# Altium PCB JTAG-批量下载V06.PcbDoc (part 2 of 13)
Units mil, origin at the board's own origin, x right, y up, seen from the top; angles counter-clockwise.
Board outline 6380 x 5290 mil, 2 copper layers (Top Layer, Bottom Layer); 190 components, 238 nets, 1050 pads, 459 vias.
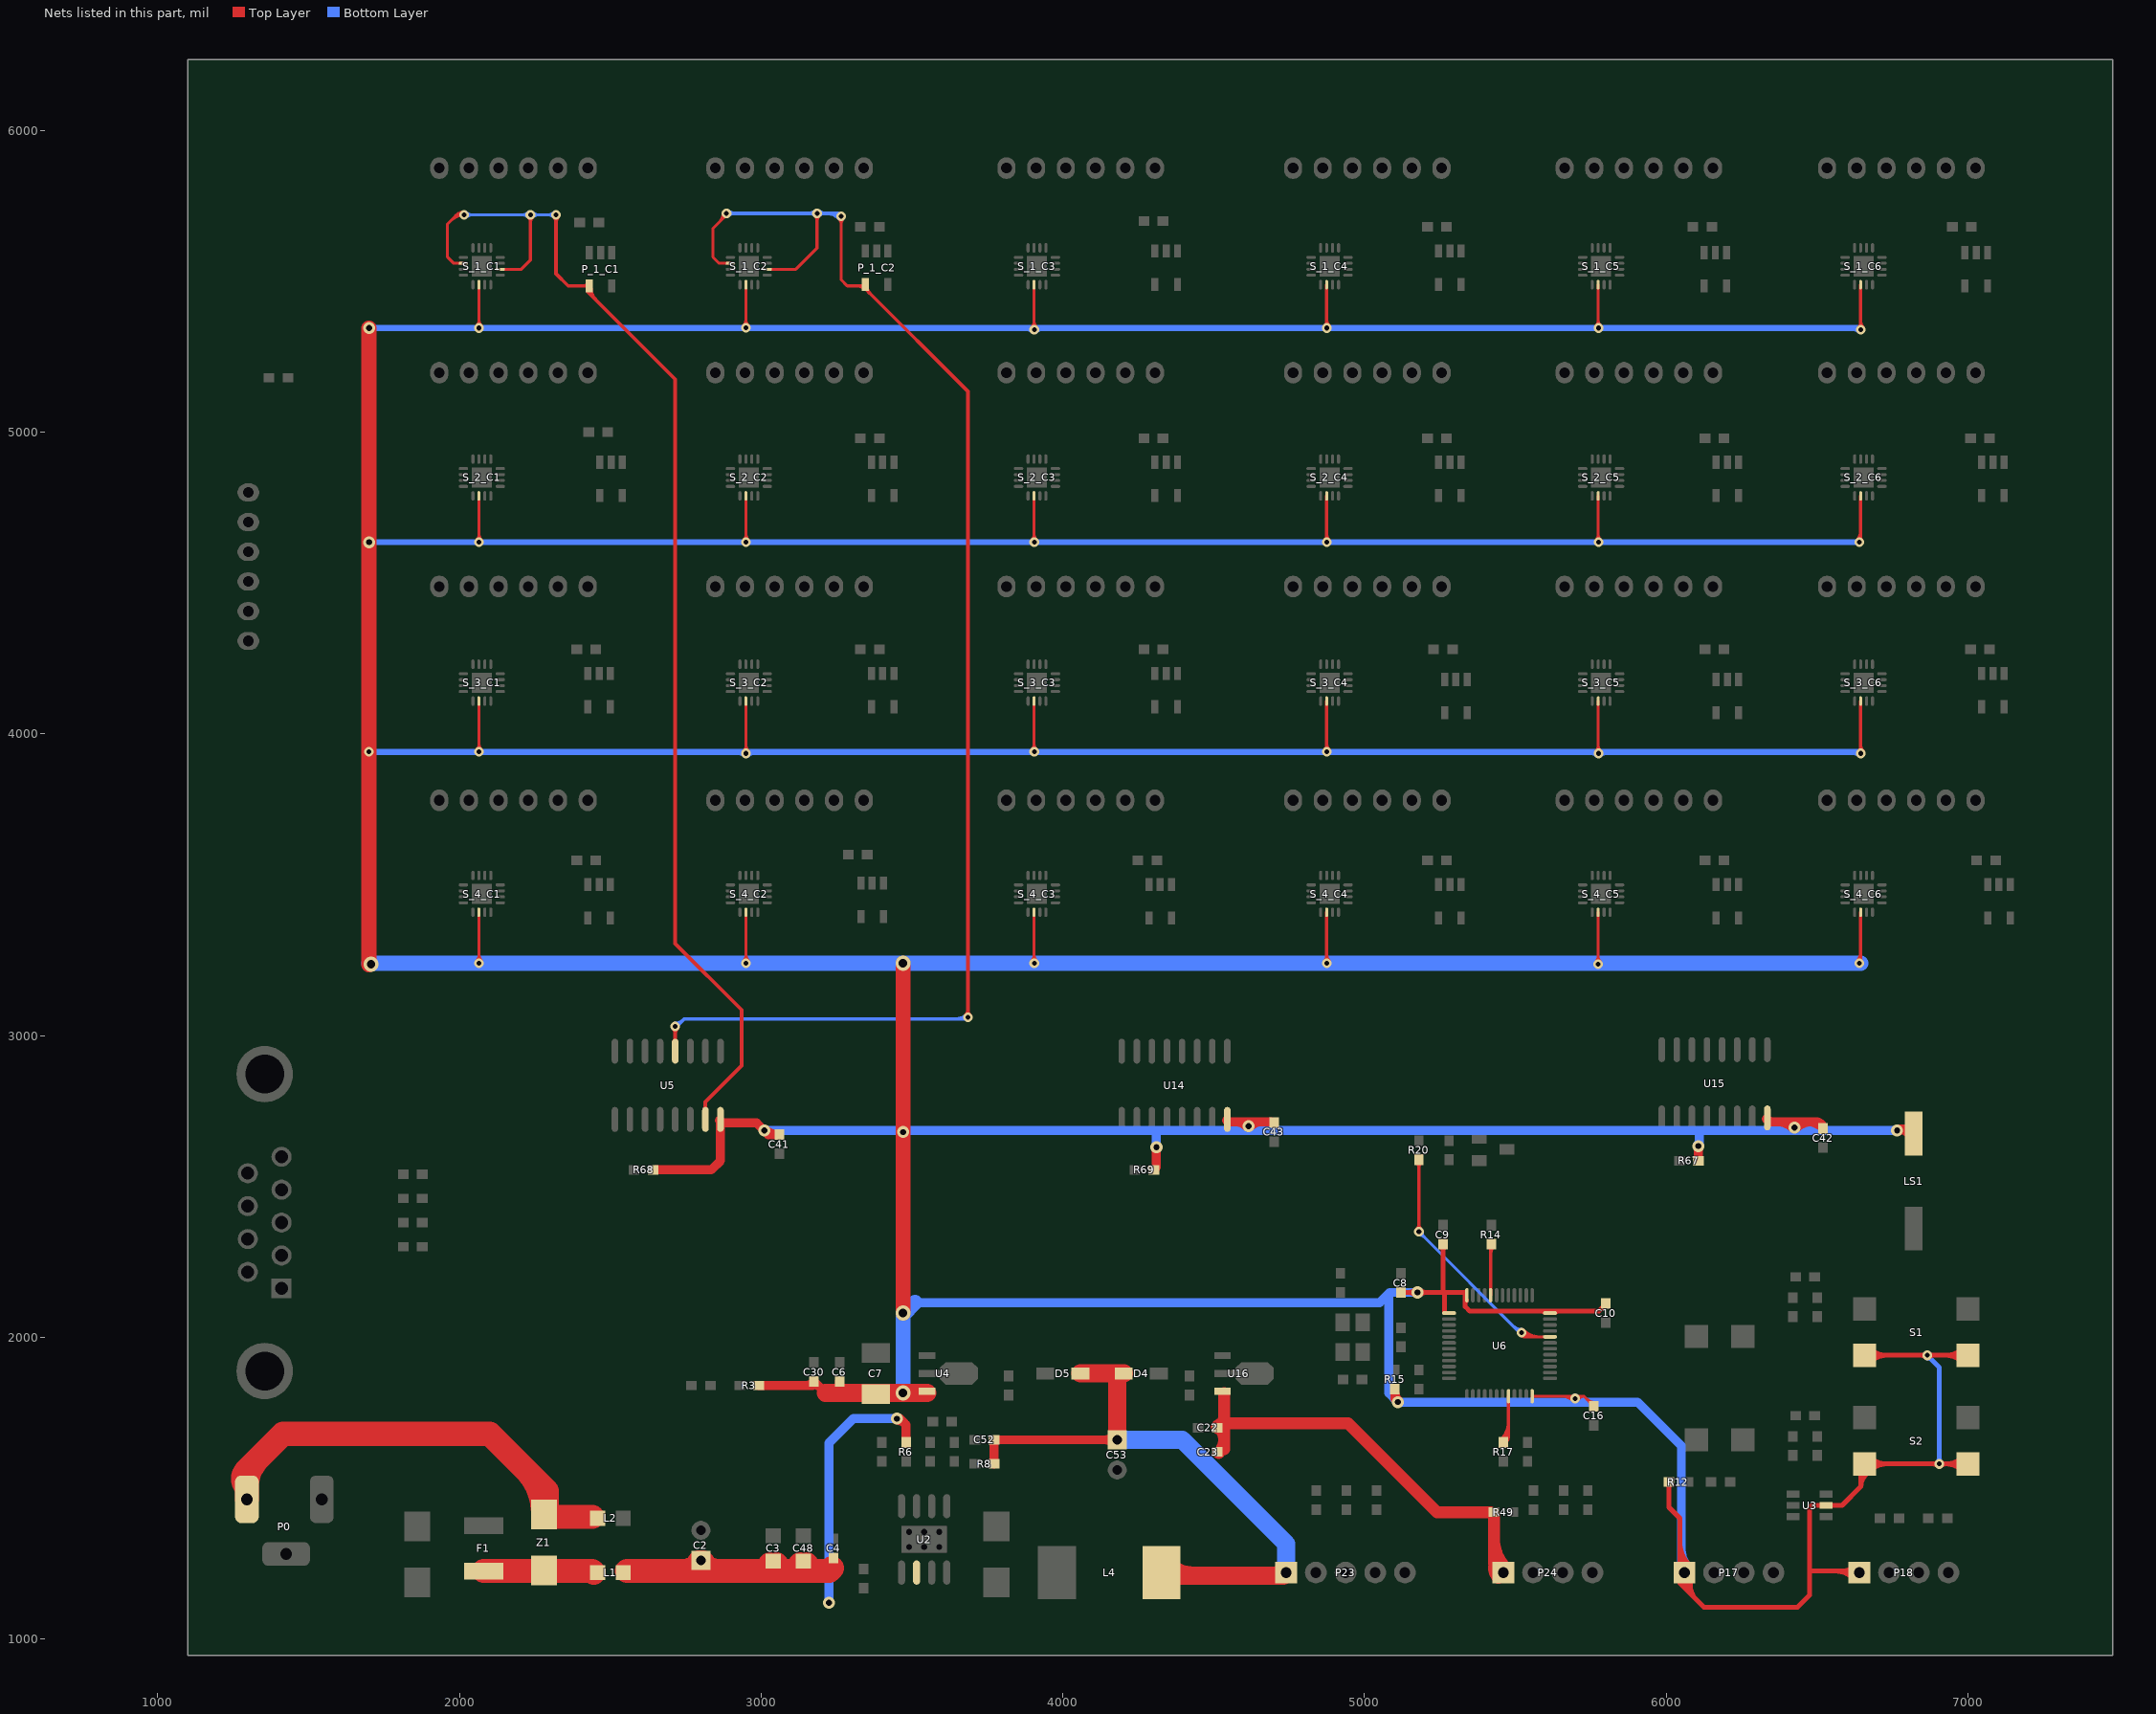
[diagram p2: the nets of this part, all layers, seen from the top]

## Via types
v1: diameter 32, hole 16, Top Layer to Bottom Layer, 347 vias
v2: diameter 50, hole 28, Top Layer to Bottom Layer, 63 vias
v3: diameter 40, hole 20, Top Layer to Bottom Layer, 49 vias

## Nets (pads, with @x,y where several pads share a name; then routed paths per layer and width w, separated by ;. In a path a pad name is that pad's centre, name@x,y a point inside that pad or via, vN(x,y) a via of type N, cw(c..) or ccw(c..) an arc to the next point about the centre after c; other vN are vias at no path point)
3.3V: C6.1 C7.1 C8.1 C9.1 C10.1 C16.1 C30.1 C41.1 C42.1 C43.1 LS1.1 P17.1 P18.1 R3.1 R12.2 R15.2 R67.1 R68.1 R69.1 S1.1 S1.2 S2.1 S2.2 S_1_C1.14 S_1_C2.14 S_1_C3.14 S_1_C4.14 S_1_C5.14 S_1_C6.14 S_2_C1.14 S_2_C2.14 S_2_C3.14 S_2_C4.14 S_2_C5.14 S_2_C6.14 S_3_C1.14 S_3_C2.14 S_3_C3.14 S_3_C4.14 S_3_C5.14 S_3_C6.14 S_4_C1.14 S_4_C2.14 S_4_C3.14 S_4_C4.14 S_4_C5.14 S_4_C6.14 U3.5 U4.3 U5.16 U6.1 U6.24 U6.36 U6.48 U14.16 U15.16 | length 51435
  Top Layer w10: v1@2064.13,3240.87 S_4_C1.14@2064.13,3408.5 ; v1@2064.13,3940.87 S_3_C1.14@2064.13,4108.5 ; v1@2064.13,4635.87 S_2_C1.14@2064.13,4788.5 ; v1@2064.13,5345 S_1_C1.14@2064.13,5488.5 ; v1@2949.13,3240.87 S_4_C2.14@2949.13,3408.5 ; v1@2949.13,3935.87 S_3_C2.14@2949.13,4108.5 ; v1@2949.13,4635.87 S_2_C2.14@2949.13,4788.5 ; v1(2949.13,5345.87) S_1_C2.14@2949.13,5488.5 ; v1@3904.13,3240.87 S_4_C3.14@3904.13,3408.5 ; v1@3904.13,3940.87 S_3_C3.14@3904.13,4108.5 ; v1@3904.13,4635.87 S_2_C3.14@3904.13,4788.5 ; v1@3904.13,5340.87 S_1_C3.14@3904.13,5488.5 ; v1@4874.13,3240.87 S_4_C4.14@4874.13,3408.5 ; v1@4874.13,3935.87 S_3_C4.14@4874.13,4108.5 ; v1@4874.13,4639.13 S_2_C4.14@4874.13,4788.5 ; v1@4874.13,5345.87 S_1_C4.14@4874.13,5488.5 ; U6.24@5555.59,1804.41 5727.09,1804.41 ; 5653.66,1804.41 cw(c5653.66,1752.8) v1@5690.15,1789.29 ; 5677.8,1804.41 cw(c5677.8,1776.94) v1@5697.22,1796.36 ; v1@5707.84,1792.31 cw(c5727.09,1783.06) 5727.09,1804.41 ; C16.1@5760,1771.5 5727.09,1804.41 ; v1(5774.13,3235.87) S_4_C5.14@5774.13,3408.5 ; v1@5774.13,3935.87 S_3_C5.14@5774.13,4108.5 ; v1@5774.13,4635.87 S_2_C5.14@5774.13,4788.5 ; v1@5774.13,5345.87 S_1_C5.14@5774.13,5488.5 ; v1@6644.13,3244.13 S_4_C6.14@6644.13,3408.5 ; v1@6644.13,3935.87 S_3_C6.14@6644.13,4108.5 ; v1@6644.13,4639.13 S_2_C6.14@6644.13,4788.5 ; v1@6644.13,5340.87 S_1_C6.14@6644.13,5488.5 ; v1@2057.22,3247.78 ccw(c2040.53,3264.47) 2064.13,3264.47 ; v1@2057.22,3247.78 ccw(c2040.53,3264.47) 2064.13,3264.47 ; v1@2057.22,3247.78 ccw(c2040.53,3264.47) 2064.13,3264.47 ; v1@2057.22,3947.78 ccw(c2040.53,3964.47) 2064.13,3964.47 ; v1@2057.22,3947.78 ccw(c2040.53,3964.47) 2064.13,3964.47 ; v1@2057.22,3947.78 ccw(c2040.53,3964.47) 2064.13,3964.47 ; v1@2057.22,4642.78 ccw(c2040.53,4659.47) 2064.13,4659.47 ; v1@2057.22,4642.78 ccw(c2040.53,4659.47) 2064.13,4659.47 ; v1@2057.22,4642.78 ccw(c2040.53,4659.47) 2064.13,4659.47 ; v1@2057.22,5352.78 ccw(c2040.53,5369.47) 2064.13,5369.47 ; v1@2057.22,5352.78 ccw(c2040.53,5369.47) 2064.13,5369.47 ; v1@2057.22,5352.78 ccw(c2040.53,5369.47) 2064.13,5369.47 ; 2064.13,3268.65 ccw(c2093.65,3268.65) v1@2072.78,3247.78 ; 2064.13,3268.65 ccw(c2093.65,3268.65) v1@2072.78,3247.78 ; 2064.13,3268.65 ccw(c2093.65,3268.65) v1@2072.78,3247.78 ; 2064.13,3968.65 ccw(c2093.65,3968.65) v1@2072.78,3947.78 ; 2064.13,3968.65 ccw(c2093.65,3968.65) v1@2072.78,3947.78 ; 2064.13,3968.65 ccw(c2093.65,3968.65) v1@2072.78,3947.78 ; 2064.13,4663.65 ccw(c2093.65,4663.65) v1@2072.78,4642.78 ; 2064.13,4663.65 ccw(c2093.65,4663.65) v1@2072.78,4642.78 ; 2064.13,4663.65 ccw(c2093.65,4663.65) v1@2072.78,4642.78 ; 2064.13,5373.65 ccw(c2093.65,5373.65) v1@2072.78,5352.78 ; 2064.13,5373.65 ccw(c2093.65,5373.65) v1@2072.78,5352.78 ; 2064.13,5373.65 ccw(c2093.65,5373.65) v1@2072.78,5352.78 ; v1@2941.36,5353.64 ccw(c2922.58,5372.42) 2949.13,5372.42 ; v1@2941.36,5353.64 ccw(c2922.58,5372.42) 2949.13,5372.42 ; v1@2941.36,5353.64 ccw(c2922.58,5372.42) 2949.13,5372.42 ; v1@2942.22,3247.78 ccw(c2925.53,3264.47) 2949.13,3264.47 ; v1@2942.22,3247.78 ccw(c2925.53,3264.47) 2949.13,3264.47 ; v1@2942.22,3247.78 ccw(c2925.53,3264.47) 2949.13,3264.47 ; v1@2942.22,3942.78 ccw(c2925.53,3959.47) 2949.13,3959.47 ; v1@2942.22,3942.78 ccw(c2925.53,3959.47) 2949.13,3959.47 ; v1@2942.22,3942.78 ccw(c2925.53,3959.47) 2949.13,3959.47 ; v1@2942.22,4642.78 ccw(c2925.53,4659.47) 2949.13,4659.47 ; v1@2942.22,4642.78 ccw(c2925.53,4659.47) 2949.13,4659.47 ; v1@2942.22,4642.78 ccw(c2925.53,4659.47) 2949.13,4659.47 ; 2949.13,3268.65 ccw(c2978.65,3268.65) v1@2957.78,3247.78 ; 2949.13,3268.65 ccw(c2978.65,3268.65) v1@2957.78,3247.78 ; 2949.13,3268.65 ccw(c2978.65,3268.65) v1@2957.78,3247.78 ; 2949.13,3963.65 ccw(c2978.65,3963.65) v1@2957.78,3942.78 ; 2949.13,3963.65 ccw(c2978.65,3963.65) v1@2957.78,3942.78 ; 2949.13,3963.65 ccw(c2978.65,3963.65) v1@2957.78,3942.78 ; 2949.13,4663.65 ccw(c2978.65,4663.65) v1@2957.78,4642.78 ; 2949.13,4663.65 ccw(c2978.65,4663.65) v1@2957.78,4642.78 ; 2949.13,4663.65 ccw(c2978.65,4663.65) v1@2957.78,4642.78 ; 2949.13,5372.42 ccw(c2975.69,5372.42) v1@2956.91,5353.64 ; 2949.13,5372.42 ccw(c2975.69,5372.42) v1@2956.91,5353.64 ; 2949.13,5372.42 ccw(c2975.69,5372.42) v1@2956.91,5353.64 ; v1@3897.22,3247.78 ccw(c3880.53,3264.47) 3904.13,3264.47 ; v1@3897.22,3247.78 ccw(c3880.53,3264.47) 3904.13,3264.47 ; v1@3897.22,3247.78 ccw(c3880.53,3264.47) 3904.13,3264.47 ; v1@3897.22,3947.78 ccw(c3880.53,3964.47) 3904.13,3964.47 ; v1@3897.22,3947.78 ccw(c3880.53,3964.47) 3904.13,3964.47 ; v1@3897.22,3947.78 ccw(c3880.53,3964.47) 3904.13,3964.47 ; v1@3897.22,4642.78 ccw(c3880.53,4659.47) 3904.13,4659.47 ; v1@3897.22,4642.78 ccw(c3880.53,4659.47) 3904.13,4659.47 ; v1@3897.22,4642.78 ccw(c3880.53,4659.47) 3904.13,4659.47 ; v1@3897.22,5347.78 ccw(c3880.53,5364.47) 3904.13,5364.47 ; v1@3897.22,5347.78 ccw(c3880.53,5364.47) 3904.13,5364.47 ; v1@3897.22,5347.78 ccw(c3880.53,5364.47) 3904.13,5364.47 ; 3904.13,3268.65 ccw(c3933.65,3268.65) v1@3912.78,3247.78 ; 3904.13,3268.65 ccw(c3933.65,3268.65) v1@3912.78,3247.78 ; 3904.13,3268.65 ccw(c3933.65,3268.65) v1@3912.78,3247.78 ; 3904.13,3968.65 ccw(c3933.65,3968.65) v1@3912.78,3947.78 ; 3904.13,3968.65 ccw(c3933.65,3968.65) v1@3912.78,3947.78 ; 3904.13,3968.65 ccw(c3933.65,3968.65) v1@3912.78,3947.78 ; 3904.13,4663.65 ccw(c3933.65,4663.65) v1@3912.78,4642.78 ; 3904.13,4663.65 ccw(c3933.65,4663.65) v1@3912.78,4642.78 ; 3904.13,4663.65 ccw(c3933.65,4663.65) v1@3912.78,4642.78 ; 3904.13,5368.65 ccw(c3933.65,5368.65) v1@3912.78,5347.78 ; 3904.13,5368.65 ccw(c3933.65,5368.65) v1@3912.78,5347.78 ; 3904.13,5368.65 ccw(c3933.65,5368.65) v1@3912.78,5347.78 ; v1@4867.22,3247.78 ccw(c4850.53,3264.47) 4874.13,3264.47 ; v1@4867.22,3247.78 ccw(c4850.53,3264.47) 4874.13,3264.47 ; v1@4867.22,3247.78 ccw(c4850.53,3264.47) 4874.13,3264.47 ; v1@4867.22,3947.78 ccw(c4850.53,3964.47) 4874.13,3964.47 ; v1@4867.22,3947.78 ccw(c4850.53,3964.47) 4874.13,3964.47 ; v1@4867.22,3947.78 ccw(c4850.53,3964.47) 4874.13,3964.47 ; v1@4867.22,4642.78 ccw(c4850.53,4659.47) 4874.13,4659.47 ; v1@4867.22,4642.78 ccw(c4850.53,4659.47) 4874.13,4659.47 ; v1@4867.22,4642.78 ccw(c4850.53,4659.47) 4874.13,4659.47 ; v1@4867.22,5352.78 ccw(c4850.53,5369.47) 4874.13,5369.47 ; v1@4867.22,5352.78 ccw(c4850.53,5369.47) 4874.13,5369.47 ; v1@4867.22,5352.78 ccw(c4850.53,5369.47) 4874.13,5369.47 ; 4874.13,3268.65 ccw(c4903.65,3268.65) v1@4882.78,3247.78 ; 4874.13,3268.65 ccw(c4903.65,3268.65) v1@4882.78,3247.78 ; 4874.13,3268.65 ccw(c4903.65,3268.65) v1@4882.78,3247.78 ; 4874.13,3968.65 ccw(c4903.65,3968.65) v1@4882.78,3947.78 ; 4874.13,3968.65 ccw(c4903.65,3968.65) v1@4882.78,3947.78 ; 4874.13,3968.65 ccw(c4903.65,3968.65) v1@4882.78,3947.78 ; 4874.13,4663.65 ccw(c4903.65,4663.65) v1@4882.78,4642.78 ; 4874.13,4663.65 ccw(c4903.65,4663.65) v1@4882.78,4642.78 ; 4874.13,4663.65 ccw(c4903.65,4663.65) v1@4882.78,4642.78 ; 4874.13,5373.65 ccw(c4903.65,5373.65) v1@4882.78,5352.78 ; 4874.13,5373.65 ccw(c4903.65,5373.65) v1@4882.78,5352.78 ; 4874.13,5373.65 ccw(c4903.65,5373.65) v1@4882.78,5352.78 ; 5738.29,1793.2 ccw(c5760,1814.91) C16.1@5760,1784.21 ; 5738.29,1793.2 ccw(c5760,1814.91) C16.1@5760,1784.21 ; 5738.29,1793.2 ccw(c5760,1814.91) C16.1@5760,1784.21 ; 5743.04,1788.45 cw(c5728.06,1773.46) C16.1@5749.25,1773.46 ; 5743.04,1788.45 cw(c5728.06,1773.46) C16.1@5749.25,1773.46 ; 5743.04,1788.45 cw(c5728.06,1773.46) C16.1@5749.25,1773.46 ; v1@5766.36,3243.64 ccw(c5747.58,3262.42) 5774.13,3262.42 ; v1@5766.36,3243.64 ccw(c5747.58,3262.42) 5774.13,3262.42 ; v1@5766.36,3243.64 ccw(c5747.58,3262.42) 5774.13,3262.42 ; v1@5767.22,3942.78 ccw(c5750.53,3959.47) 5774.13,3959.47 ; v1@5767.22,3942.78 ccw(c5750.53,3959.47) 5774.13,3959.47 ; v1@5767.22,3942.78 ccw(c5750.53,3959.47) 5774.13,3959.47 ; v1@5767.22,4642.78 ccw(c5750.53,4659.47) 5774.13,4659.47 ; v1@5767.22,4642.78 ccw(c5750.53,4659.47) 5774.13,4659.47 ; v1@5767.22,4642.78 ccw(c5750.53,4659.47) 5774.13,4659.47 ; v1@5767.22,5352.78 ccw(c5750.53,5369.47) 5774.13,5369.47 ; v1@5767.22,5352.78 ccw(c5750.53,5369.47) 5774.13,5369.47 ; v1@5767.22,5352.78 ccw(c5750.53,5369.47) 5774.13,5369.47 ; 5774.13,3262.42 ccw(c5800.69,3262.42) v1@5781.91,3243.64 ; 5774.13,3262.42 ccw(c5800.69,3262.42) v1@5781.91,3243.64 ; 5774.13,3262.42 ccw(c5800.69,3262.42) v1@5781.91,3243.64 ; 5774.13,3963.65 ccw(c5803.65,3963.65) v1@5782.78,3942.78 ; 5774.13,3963.65 ccw(c5803.65,3963.65) v1@5782.78,3942.78 ; 5774.13,3963.65 ccw(c5803.65,3963.65) v1@5782.78,3942.78 ; 5774.13,4663.65 ccw(c5803.65,4663.65) v1@5782.78,4642.78 ; 5774.13,4663.65 ccw(c5803.65,4663.65) v1@5782.78,4642.78 ; 5774.13,4663.65 ccw(c5803.65,4663.65) v1@5782.78,4642.78 ; 5774.13,5373.65 ccw(c5803.65,5373.65) v1@5782.78,5352.78 ; 5774.13,5373.65 ccw(c5803.65,5373.65) v1@5782.78,5352.78 ; 5774.13,5373.65 ccw(c5803.65,5373.65) v1@5782.78,5352.78 ; v1@6632.22,3247.78 ccw(c6603.46,3276.54) 6644.13,3276.54 ; v1@6632.22,3247.78 ccw(c6603.46,3276.54) 6644.13,3276.54 ; v1@6632.22,3247.78 ccw(c6603.46,3276.54) 6644.13,3276.54 ; v1@6632.22,4642.78 ccw(c6603.46,4671.54) 6644.13,4671.54 ; v1@6632.22,4642.78 ccw(c6603.46,4671.54) 6644.13,4671.54 ; v1@6632.22,4642.78 ccw(c6603.46,4671.54) 6644.13,4671.54 ; v1@6637.22,3942.78 ccw(c6620.53,3959.47) 6644.13,3959.47 ; v1@6637.22,3942.78 ccw(c6620.53,3959.47) 6644.13,3959.47 ; v1@6637.22,3942.78 ccw(c6620.53,3959.47) 6644.13,3959.47 ; v1@6637.22,5347.78 ccw(c6620.53,5364.47) 6644.13,5364.47 ; v1@6637.22,5347.78 ccw(c6620.53,5364.47) 6644.13,5364.47 ; v1@6637.22,5347.78 ccw(c6620.53,5364.47) 6644.13,5364.47 ; 6644.13,3256.58 ccw(c6656.58,3256.58) v1@6647.78,3247.78 ; 6644.13,3256.58 ccw(c6656.58,3256.58) v1@6647.78,3247.78 ; 6644.13,3256.58 ccw(c6656.58,3256.58) v1@6647.78,3247.78 ; 6644.13,3963.65 ccw(c6673.65,3963.65) v1@6652.78,3942.78 ; 6644.13,3963.65 ccw(c6673.65,3963.65) v1@6652.78,3942.78 ; 6644.13,3963.65 ccw(c6673.65,3963.65) v1@6652.78,3942.78 ; 6644.13,4651.58 ccw(c6656.58,4651.58) v1@6647.78,4642.78 ; 6644.13,4651.58 ccw(c6656.58,4651.58) v1@6647.78,4642.78 ; 6644.13,4651.58 ccw(c6656.58,4651.58) v1@6647.78,4642.78 ; 6644.13,5368.65 ccw(c6673.65,5368.65) v1@6652.78,5347.78 ; 6644.13,5368.65 ccw(c6673.65,5368.65) v1@6652.78,5347.78 ; 6644.13,5368.65 ccw(c6673.65,5368.65) v1@6652.78,5347.78
  Top Layer w16: C8.1@5120,2148.5 5333.5,2148.5 5333.5,2101.5 5348.37,2086.63 5776.63,2086.63 C10.1@5801.5,2111.5 ; 5260,2148.5 C9.1@5260,2308.5 ; U6.1@5265,2085 5265,2148.5 ; 5333.5,2112.99 cw(c5347.4,2112.99) U6.48@5337.57,2122.82 ; 5585.98,2086.63 cw(c5585.98,2069.05) U6.36@5598.41,2081.48 ; U6.36@5630.88,2081.48 cw(c5643.31,2069.05) 5643.31,2086.63 ; R12.2@6008.5,1520 6008.5,1436.5 6045,1400 6045,1185 6125,1105 6435,1105 6475,1145 6475,1435 6482.6,1442.6 6582.6,1442.6 6645,1505 6645,1555 6670,1580 S2.1@7000,1580 ; 6475,1230 6480,1225 P18.1@6635,1225 ; S1.2@6657.48,1940 S1.1@7000,1940 ; C8.1@5125.48,2143.03 cw(c5138.71,2129.8) 5138.71,2148.5 ; C8.1@5125.48,2143.03 cw(c5138.71,2129.8) 5138.71,2148.5 ; C8.1@5125.48,2143.03 cw(c5138.71,2129.8) 5138.71,2148.5 ; C8.1@5125.48,2153.98 ccw(c5138.71,2167.21) 5138.71,2148.5 ; C8.1@5125.48,2153.98 ccw(c5138.71,2167.21) 5138.71,2148.5 ; C8.1@5125.48,2153.98 ccw(c5138.71,2167.21) 5138.71,2148.5 ; 5146.03,2148.5 ccw(c5146.03,2177.47) v3@5166.51,2156.99 ; 5146.03,2148.5 cw(c5146.03,2119.53) v3@5166.51,2140.02 ; 5146.03,2148.5 ccw(c5146.03,2177.47) v3@5166.51,2156.99 ; 5146.03,2148.5 cw(c5146.03,2119.53) v3@5166.51,2140.02 ; 5146.03,2148.5 ccw(c5146.03,2177.47) v3@5166.51,2156.99 ; 5146.03,2148.5 cw(c5146.03,2119.53) v3@5166.51,2140.02 ; v3@5183.49,2140.02 cw(c5203.97,2119.53) 5203.97,2148.5 ; v3@5183.49,2140.02 cw(c5203.97,2119.53) 5203.97,2148.5 ; v3@5183.49,2140.02 cw(c5203.97,2119.53) 5203.97,2148.5 ; v3@5183.49,2156.99 ccw(c5203.97,2177.47) 5203.97,2148.5 ; v3@5183.49,2156.99 ccw(c5203.97,2177.47) 5203.97,2148.5 ; v3@5183.49,2156.99 ccw(c5203.97,2177.47) 5203.97,2148.5 ; C9.1@5254.52,2301.06 cw(c5241.29,2287.83) 5260,2287.83 ; C9.1@5254.52,2301.06 cw(c5241.29,2287.83) 5260,2287.83 ; C9.1@5254.52,2301.06 cw(c5241.29,2287.83) 5260,2287.83 ; 5260,2287.83 cw(c5278.71,2287.83) C9.1@5265.48,2301.06 ; 5260,2287.83 cw(c5278.71,2287.83) C9.1@5265.48,2301.06 ; 5260,2287.83 cw(c5278.71,2287.83) C9.1@5265.48,2301.06 ; C10.1@5785.97,2095.97 cw(c5800,2081.93) C10.1@5800,2101.78 ; C10.1@5785.97,2095.97 cw(c5800,2081.93) C10.1@5800,2101.78 ; C10.1@5785.97,2095.97 cw(c5800,2081.93) C10.1@5800,2101.78 ; C10.1@5787.11,2097.11 ccw(c5774.69,2109.53) C10.1@5792.25,2109.53 ; C10.1@5787.11,2097.11 ccw(c5774.69,2109.53) C10.1@5792.25,2109.53 ; C10.1@5787.11,2097.11 ccw(c5774.69,2109.53) C10.1@5792.25,2109.53 ; R12.2@6003.03,1514.52 cw(c5989.8,1501.29) 6008.5,1501.29 ; R12.2@6003.03,1514.52 cw(c5989.8,1501.29) 6008.5,1501.29 ; R12.2@6003.03,1514.52 cw(c5989.8,1501.29) 6008.5,1501.29 ; 6008.5,1501.29 cw(c6027.21,1501.29) R12.2@6013.98,1514.52 ; 6008.5,1501.29 cw(c6027.21,1501.29) R12.2@6013.98,1514.52 ; 6008.5,1501.29 cw(c6027.21,1501.29) R12.2@6013.98,1514.52 ; P17.1@6041.75,1228.18 ccw(c6081.75,1210.25) 6050.75,1179.25 ; P17.1@6041.75,1228.18 ccw(c6081.75,1210.25) 6050.75,1179.25 ; P17.1@6041.75,1228.18 ccw(c6081.75,1210.25) 6050.75,1179.25 ; 6045,1285.18 ccw(c6125.18,1285.18) P17.1@6068.49,1228.49 ; 6045,1285.18 ccw(c6125.18,1285.18) P17.1@6068.49,1228.49 ; 6045,1285.18 ccw(c6125.18,1285.18) P17.1@6068.49,1228.49 ; 6045,1323.81 ccw(c6163.81,1323.81) P17.1@6079.8,1239.8 ; 6045,1323.81 ccw(c6163.81,1323.81) P17.1@6079.8,1239.8 ; 6045,1323.81 ccw(c6163.81,1323.81) P17.1@6079.8,1239.8 ; P17.1@6056.35,1221.64 ccw(c6104.42,1200.08) 6067.17,1162.83 ; P17.1@6056.35,1221.64 ccw(c6104.42,1200.08) 6067.17,1162.83 ; P17.1@6056.35,1221.64 ccw(c6104.42,1200.08) 6067.17,1162.83 ; P17.1@6070.95,1215.09 ccw(c6127.08,1189.92) 6083.58,1146.42 ; P17.1@6070.95,1215.09 ccw(c6127.08,1189.92) 6083.58,1146.42 ; P17.1@6070.95,1215.09 ccw(c6127.08,1189.92) 6083.58,1146.42 ; P17.1@6085.55,1208.54 ccw(c6149.75,1179.75) 6100,1130 ; P17.1@6085.55,1208.54 ccw(c6149.75,1179.75) 6100,1130 ; P17.1@6085.55,1208.54 ccw(c6149.75,1179.75) 6100,1130 ; 6560.33,1225 cw(c6560.33,1140.33) P18.1@6620.2,1200.2 ; 6560.33,1225 cw(c6560.33,1140.33) P18.1@6620.2,1200.2 ; 6560.33,1225 cw(c6560.33,1140.33) P18.1@6620.2,1200.2 ; 6584.47,1225 ccw(c6584.47,1275.53) P18.1@6620.2,1239.8 ; 6584.47,1225 ccw(c6584.47,1275.53) P18.1@6620.2,1239.8 ; 6584.47,1225 ccw(c6584.47,1275.53) P18.1@6620.2,1239.8 ; 6598.96,1225 cw(c6598.96,1178.96) P18.1@6631.51,1211.51 ; 6598.96,1225 cw(c6598.96,1178.96) P18.1@6631.51,1211.51 ; 6598.96,1225 cw(c6598.96,1178.96) P18.1@6631.51,1211.51 ; S2.2@6636.69,1557.24 cw(c6616.63,1537.18) 6645,1537.18 ; S2.2@6636.69,1557.24 cw(c6616.63,1537.18) 6645,1537.18 ; S2.2@6636.69,1557.24 cw(c6616.63,1537.18) 6645,1537.18 ; 6645,1503.94 cw(c6702.07,1503.94) S2.2@6672.64,1552.84 ; 6645,1503.94 cw(c6702.07,1503.94) S2.2@6672.64,1552.84 ; 6645,1503.94 cw(c6702.07,1503.94) S2.2@6672.64,1552.84 ; 6645,1532.25 cw(c6685.03,1532.25) S2.2@6664.39,1566.55 ; 6645,1532.25 cw(c6685.03,1532.25) S2.2@6664.39,1566.55 ; 6645,1532.25 cw(c6685.03,1532.25) S2.2@6664.39,1566.55 ; S2.2@6678.27,1559.21 cw(c6728.46,1509.02) 6728.46,1580 ; S2.2@6678.27,1559.21 cw(c6728.46,1509.02) 6728.46,1580 ; S2.2@6678.27,1559.21 cw(c6728.46,1509.02) 6728.46,1580 ; S2.2@6678.27,1600.79 ccw(c6728.46,1650.98) 6728.46,1580 ; S2.2@6678.27,1600.79 ccw(c6728.46,1650.98) 6728.46,1580 ; S2.2@6678.27,1600.79 ccw(c6728.46,1650.98) 6728.46,1580 ; S1.2@6678.27,1919.21 cw(c6728.46,1869.02) 6728.46,1940 ; S1.2@6678.27,1919.21 cw(c6728.46,1869.02) 6728.46,1940 ; S1.2@6678.27,1919.21 cw(c6728.46,1869.02) 6728.46,1940 ; S1.2@6678.27,1960.79 ccw(c6728.46,2010.98) 6728.46,1940 ; S1.2@6678.27,1960.79 ccw(c6728.46,2010.98) 6728.46,1940 ; S1.2@6678.27,1960.79 ccw(c6728.46,2010.98) 6728.46,1940 ; 6845.69,1940 ccw(c6845.69,1959.31) v1@6859.34,1945.66 ; 6845.69,1940 cw(c6845.69,1920.69) v1@6859.34,1934.34 ; 6845.69,1940 ccw(c6845.69,1959.31) v1@6859.34,1945.66 ; 6845.69,1940 cw(c6845.69,1920.69) v1@6859.34,1934.34 ; 6845.69,1940 ccw(c6845.69,1959.31) v1@6859.34,1945.66 ; 6845.69,1940 cw(c6845.69,1920.69) v1@6859.34,1934.34 ; v1@6870.66,1934.34 cw(c6884.31,1920.69) 6884.31,1940 ; v1@6870.66,1934.34 cw(c6884.31,1920.69) 6884.31,1940 ; v1@6870.66,1934.34 cw(c6884.31,1920.69) 6884.31,1940 ; v1@6870.66,1945.66 ccw(c6884.31,1959.31) 6884.31,1940 ; v1@6870.66,1945.66 ccw(c6884.31,1959.31) 6884.31,1940 ; v1@6870.66,1945.66 ccw(c6884.31,1959.31) 6884.31,1940 ; 6885.69,1580 ccw(c6885.69,1599.31) v1@6899.34,1585.66 ; 6885.69,1580 cw(c6885.69,1560.69) v1@6899.34,1574.34 ; 6885.69,1580 ccw(c6885.69,1599.31) v1@6899.34,1585.66 ; 6885.69,1580 cw(c6885.69,1560.69) v1@6899.34,1574.34 ; 6885.69,1580 ccw(c6885.69,1599.31) v1@6899.34,1585.66 ; 6885.69,1580 cw(c6885.69,1560.69) v1@6899.34,1574.34 ; v1@6910.66,1574.34 cw(c6924.31,1560.69) 6924.31,1580 ; v1@6910.66,1574.34 cw(c6924.31,1560.69) 6924.31,1580 ; v1@6910.66,1574.34 cw(c6924.31,1560.69) 6924.31,1580 ; v1@6910.66,1585.66 ccw(c6924.31,1599.31) 6924.31,1580 ; v1@6910.66,1585.66 ccw(c6924.31,1599.31) 6924.31,1580 ; v1@6910.66,1585.66 ccw(c6924.31,1599.31) 6924.31,1580 ; 6929.02,1580 ccw(c6929.02,1650.98) S2.1@6979.21,1600.79 ; 6929.02,1580 cw(c6929.02,1509.02) S2.1@6979.21,1559.21 ; 6929.02,1580 ccw(c6929.02,1650.98) S2.1@6979.21,1600.79 ; 6929.02,1580 cw(c6929.02,1509.02) S2.1@6979.21,1559.21 ; 6929.02,1580 ccw(c6929.02,1650.98) S2.1@6979.21,1600.79 ; 6929.02,1580 cw(c6929.02,1509.02) S2.1@6979.21,1559.21 ; 6929.02,1940 ccw(c6929.02,2010.98) S1.1@6979.21,1960.79 ; 6929.02,1940 cw(c6929.02,1869.02) S1.1@6979.21,1919.21 ; 6929.02,1940 ccw(c6929.02,2010.98) S1.1@6979.21,1960.79 ; 6929.02,1940 cw(c6929.02,1869.02) S1.1@6979.21,1919.21 ; 6929.02,1940 ccw(c6929.02,2010.98) S1.1@6979.21,1960.79 ; 6929.02,1940 cw(c6929.02,1869.02) S1.1@6979.21,1919.21